# Altium PCB Spektrop2_PCB_Combined_CMV4000_V1.PcbDoc (part 1 of 6) (continued)
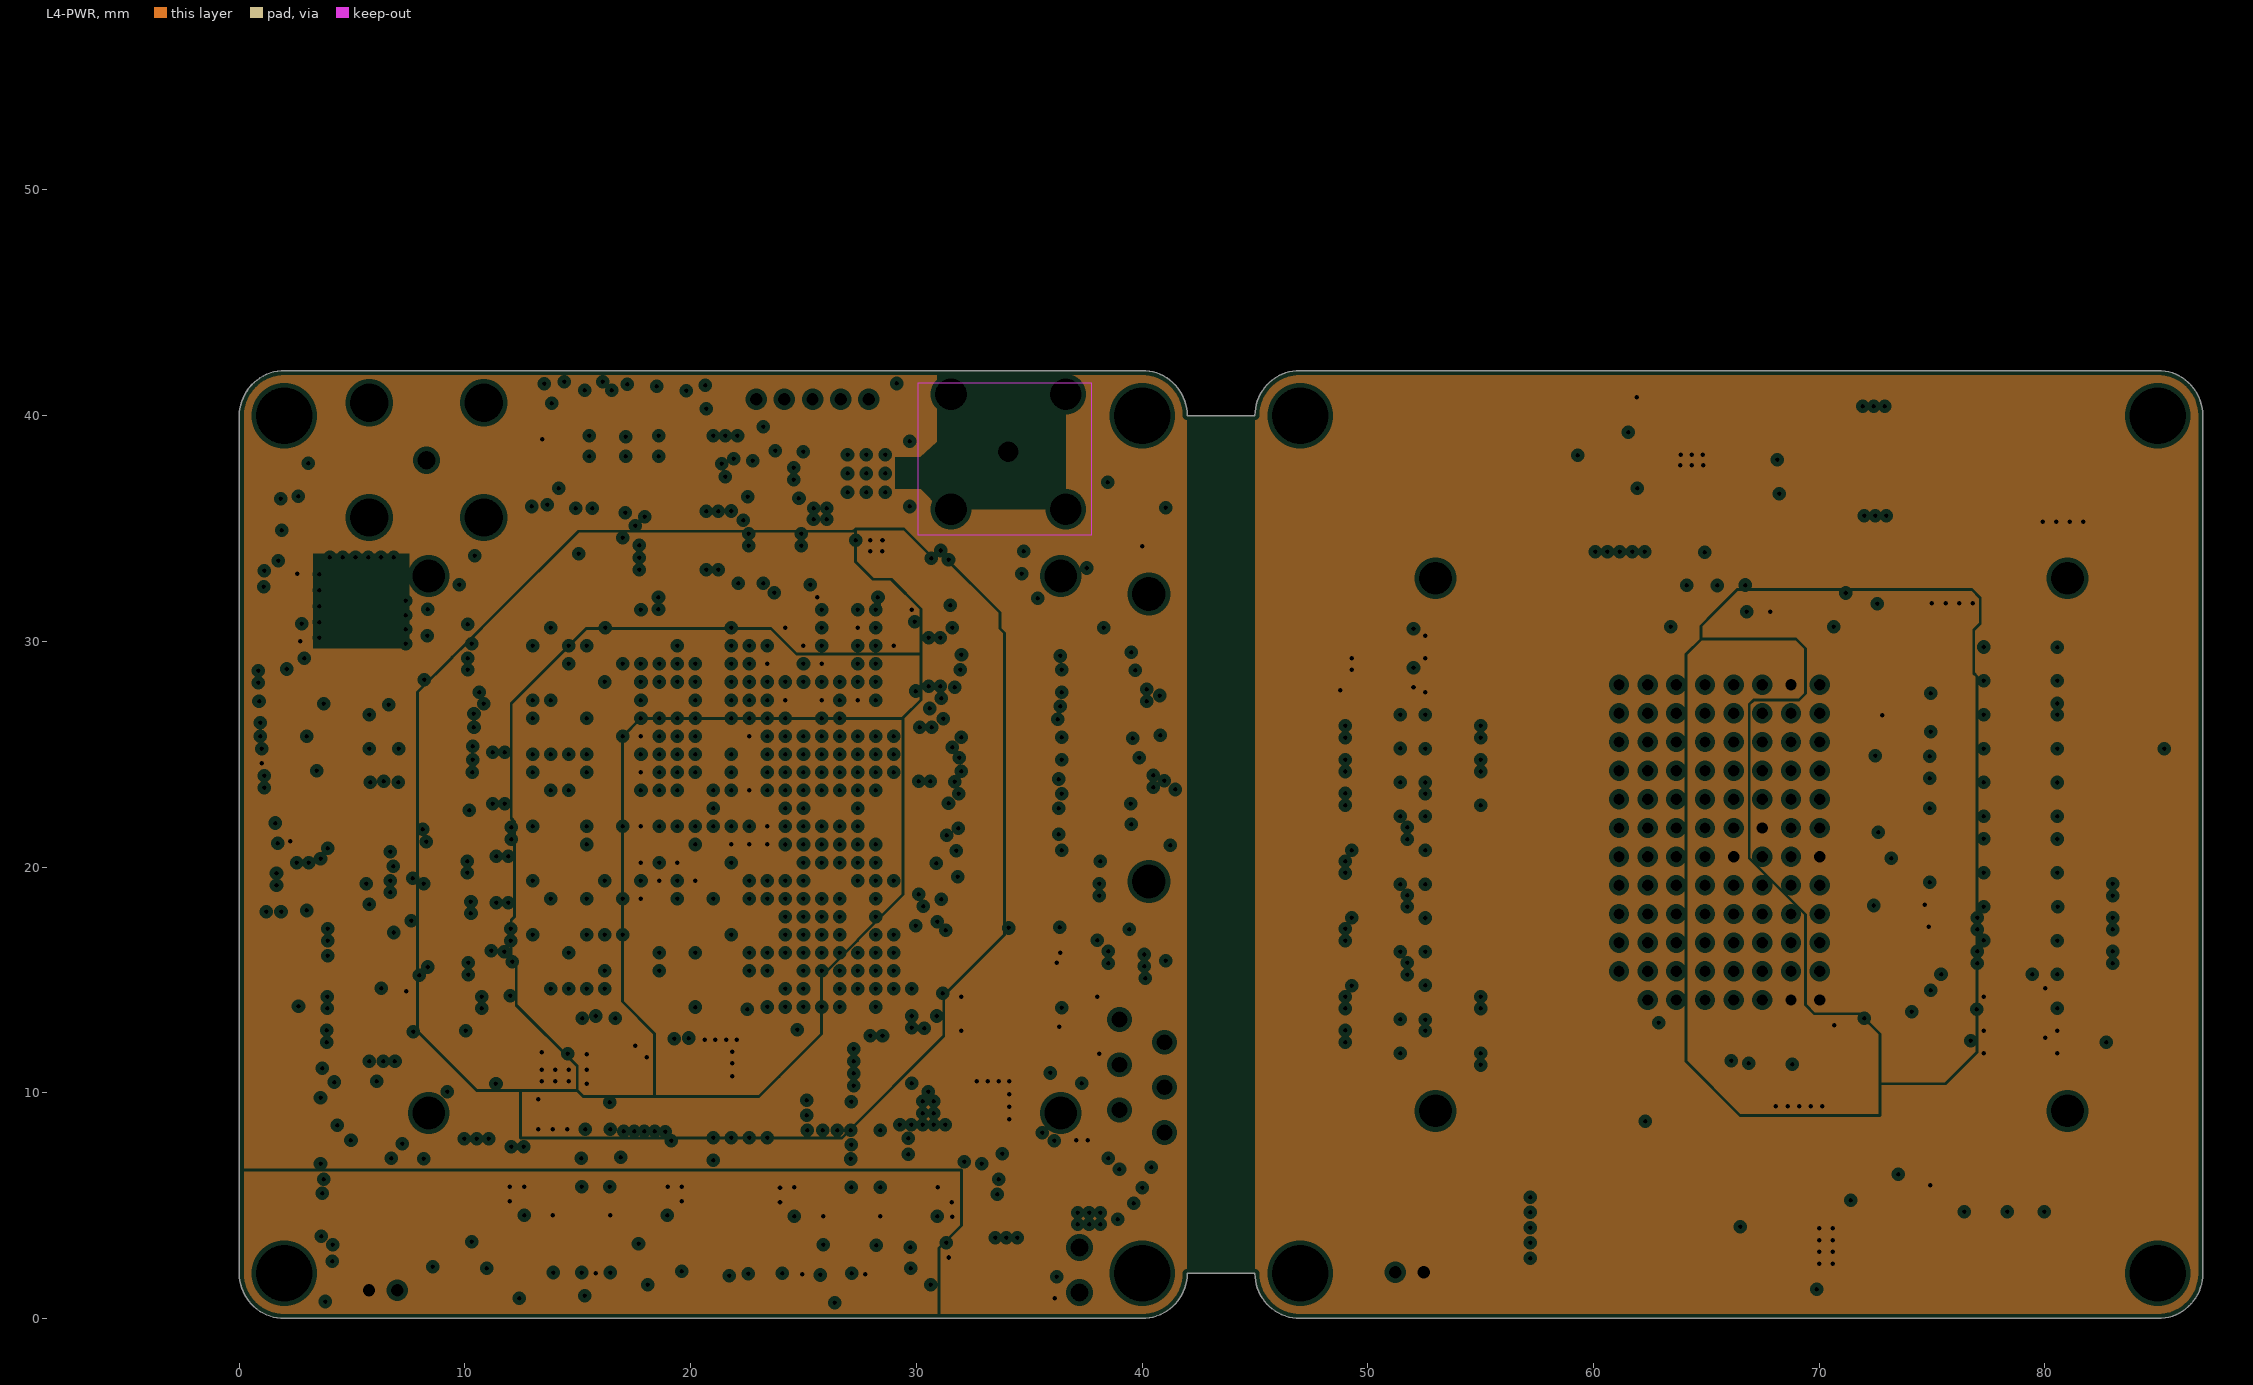
[diagram p5: L4-PWR, clearances drawn from the general rule]
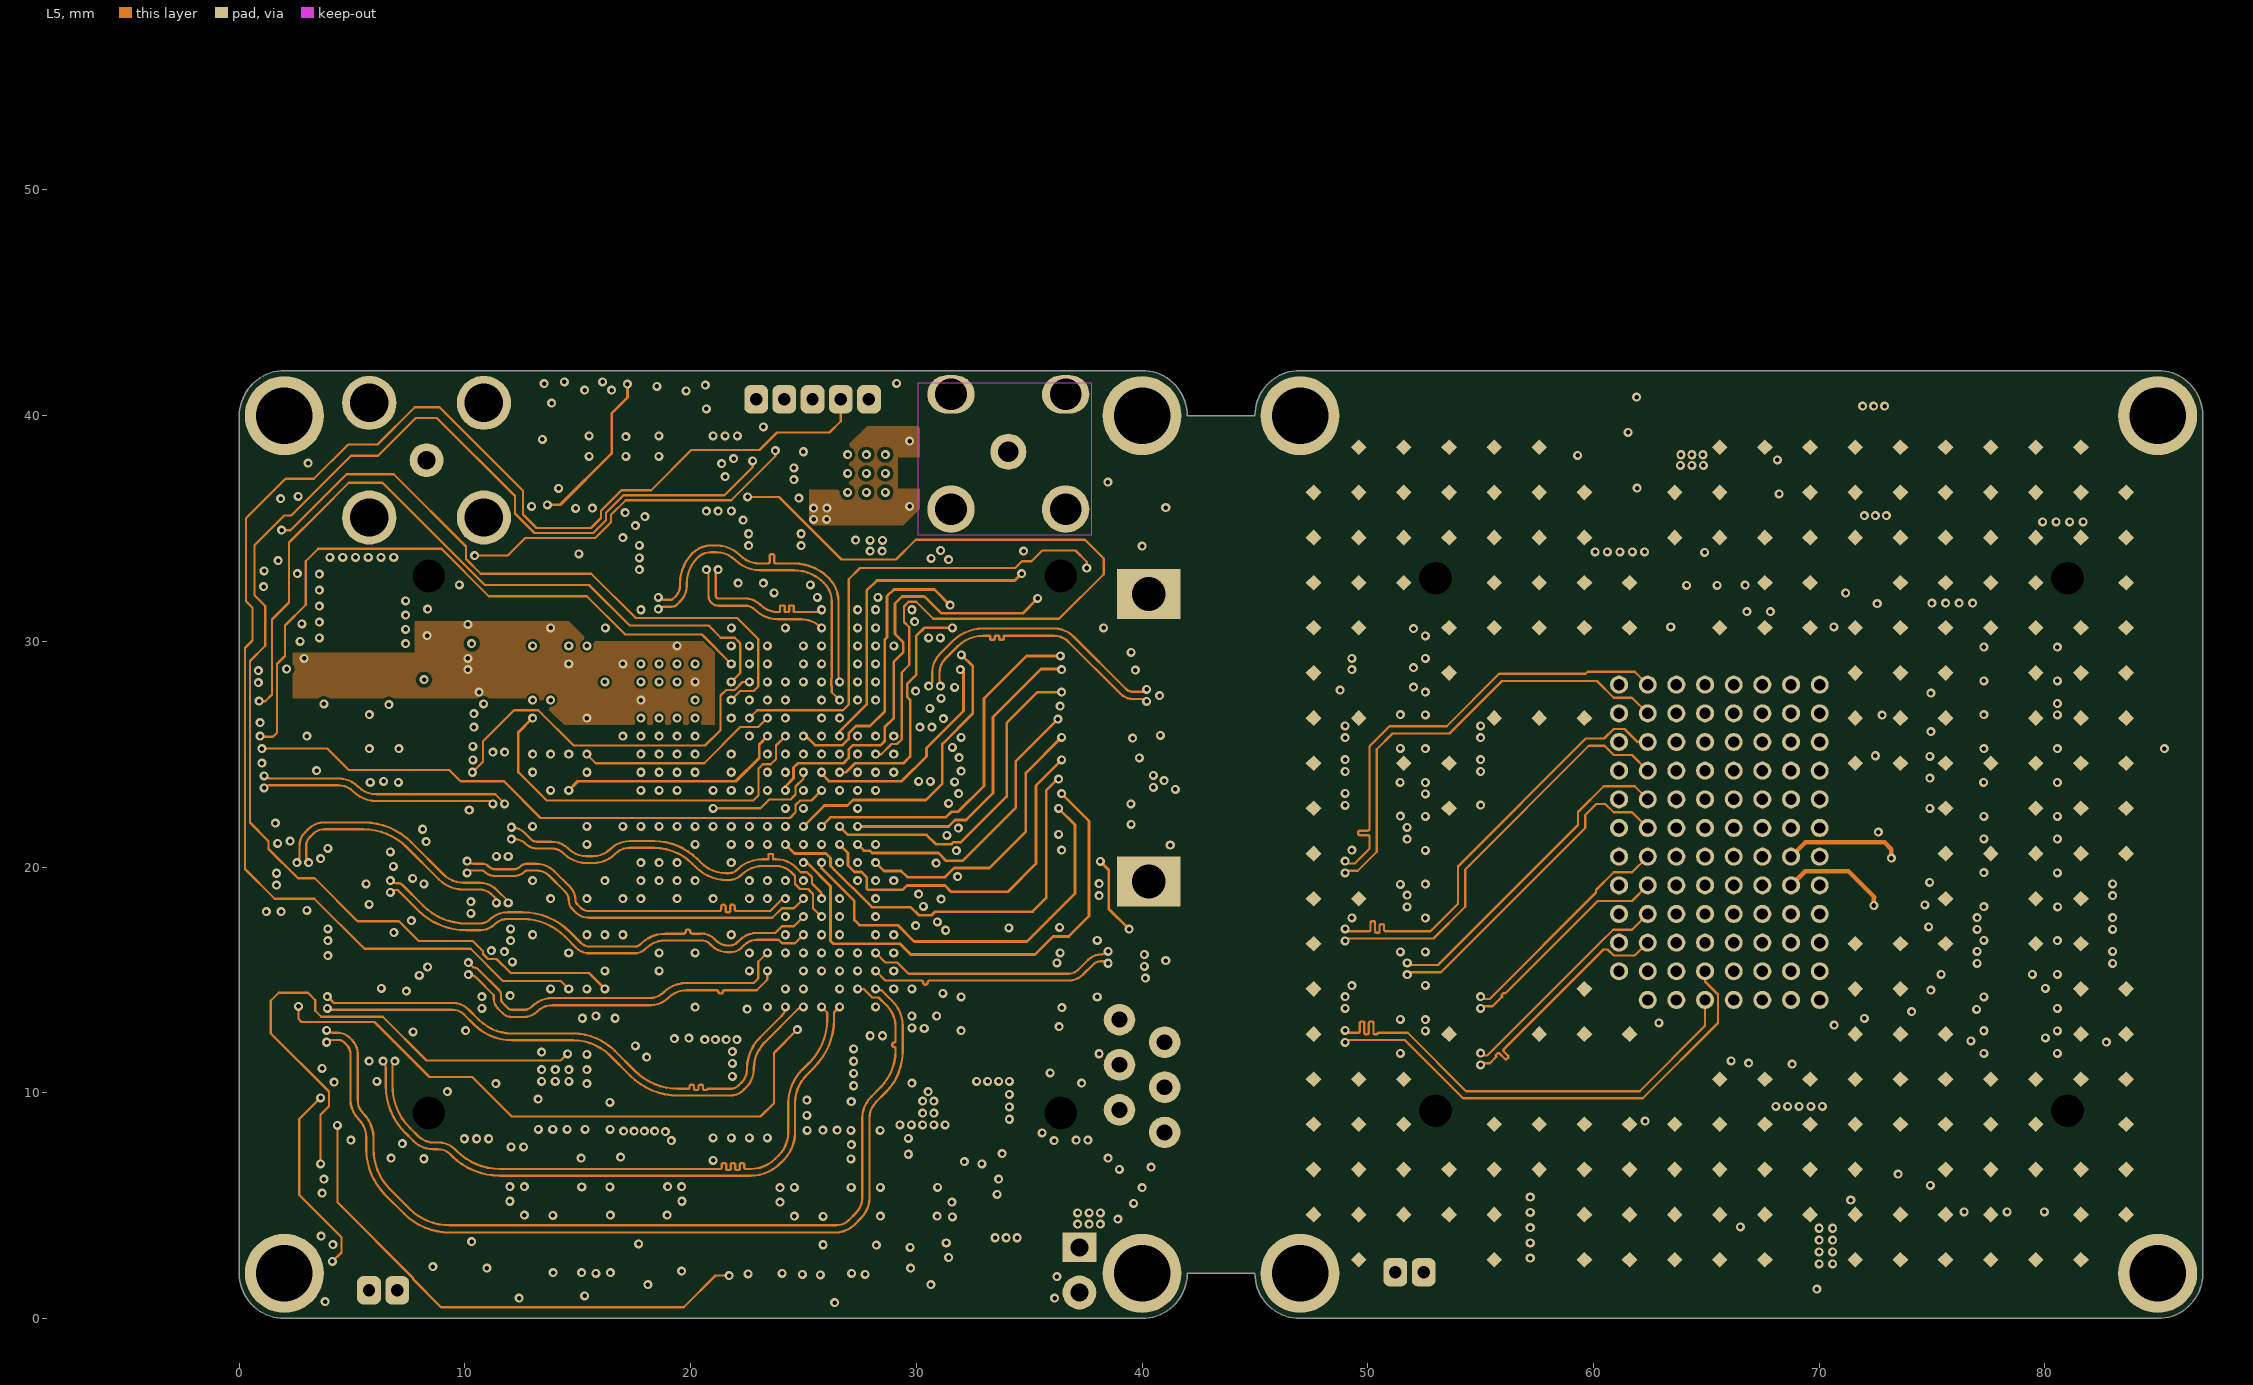
[diagram p6: L5]
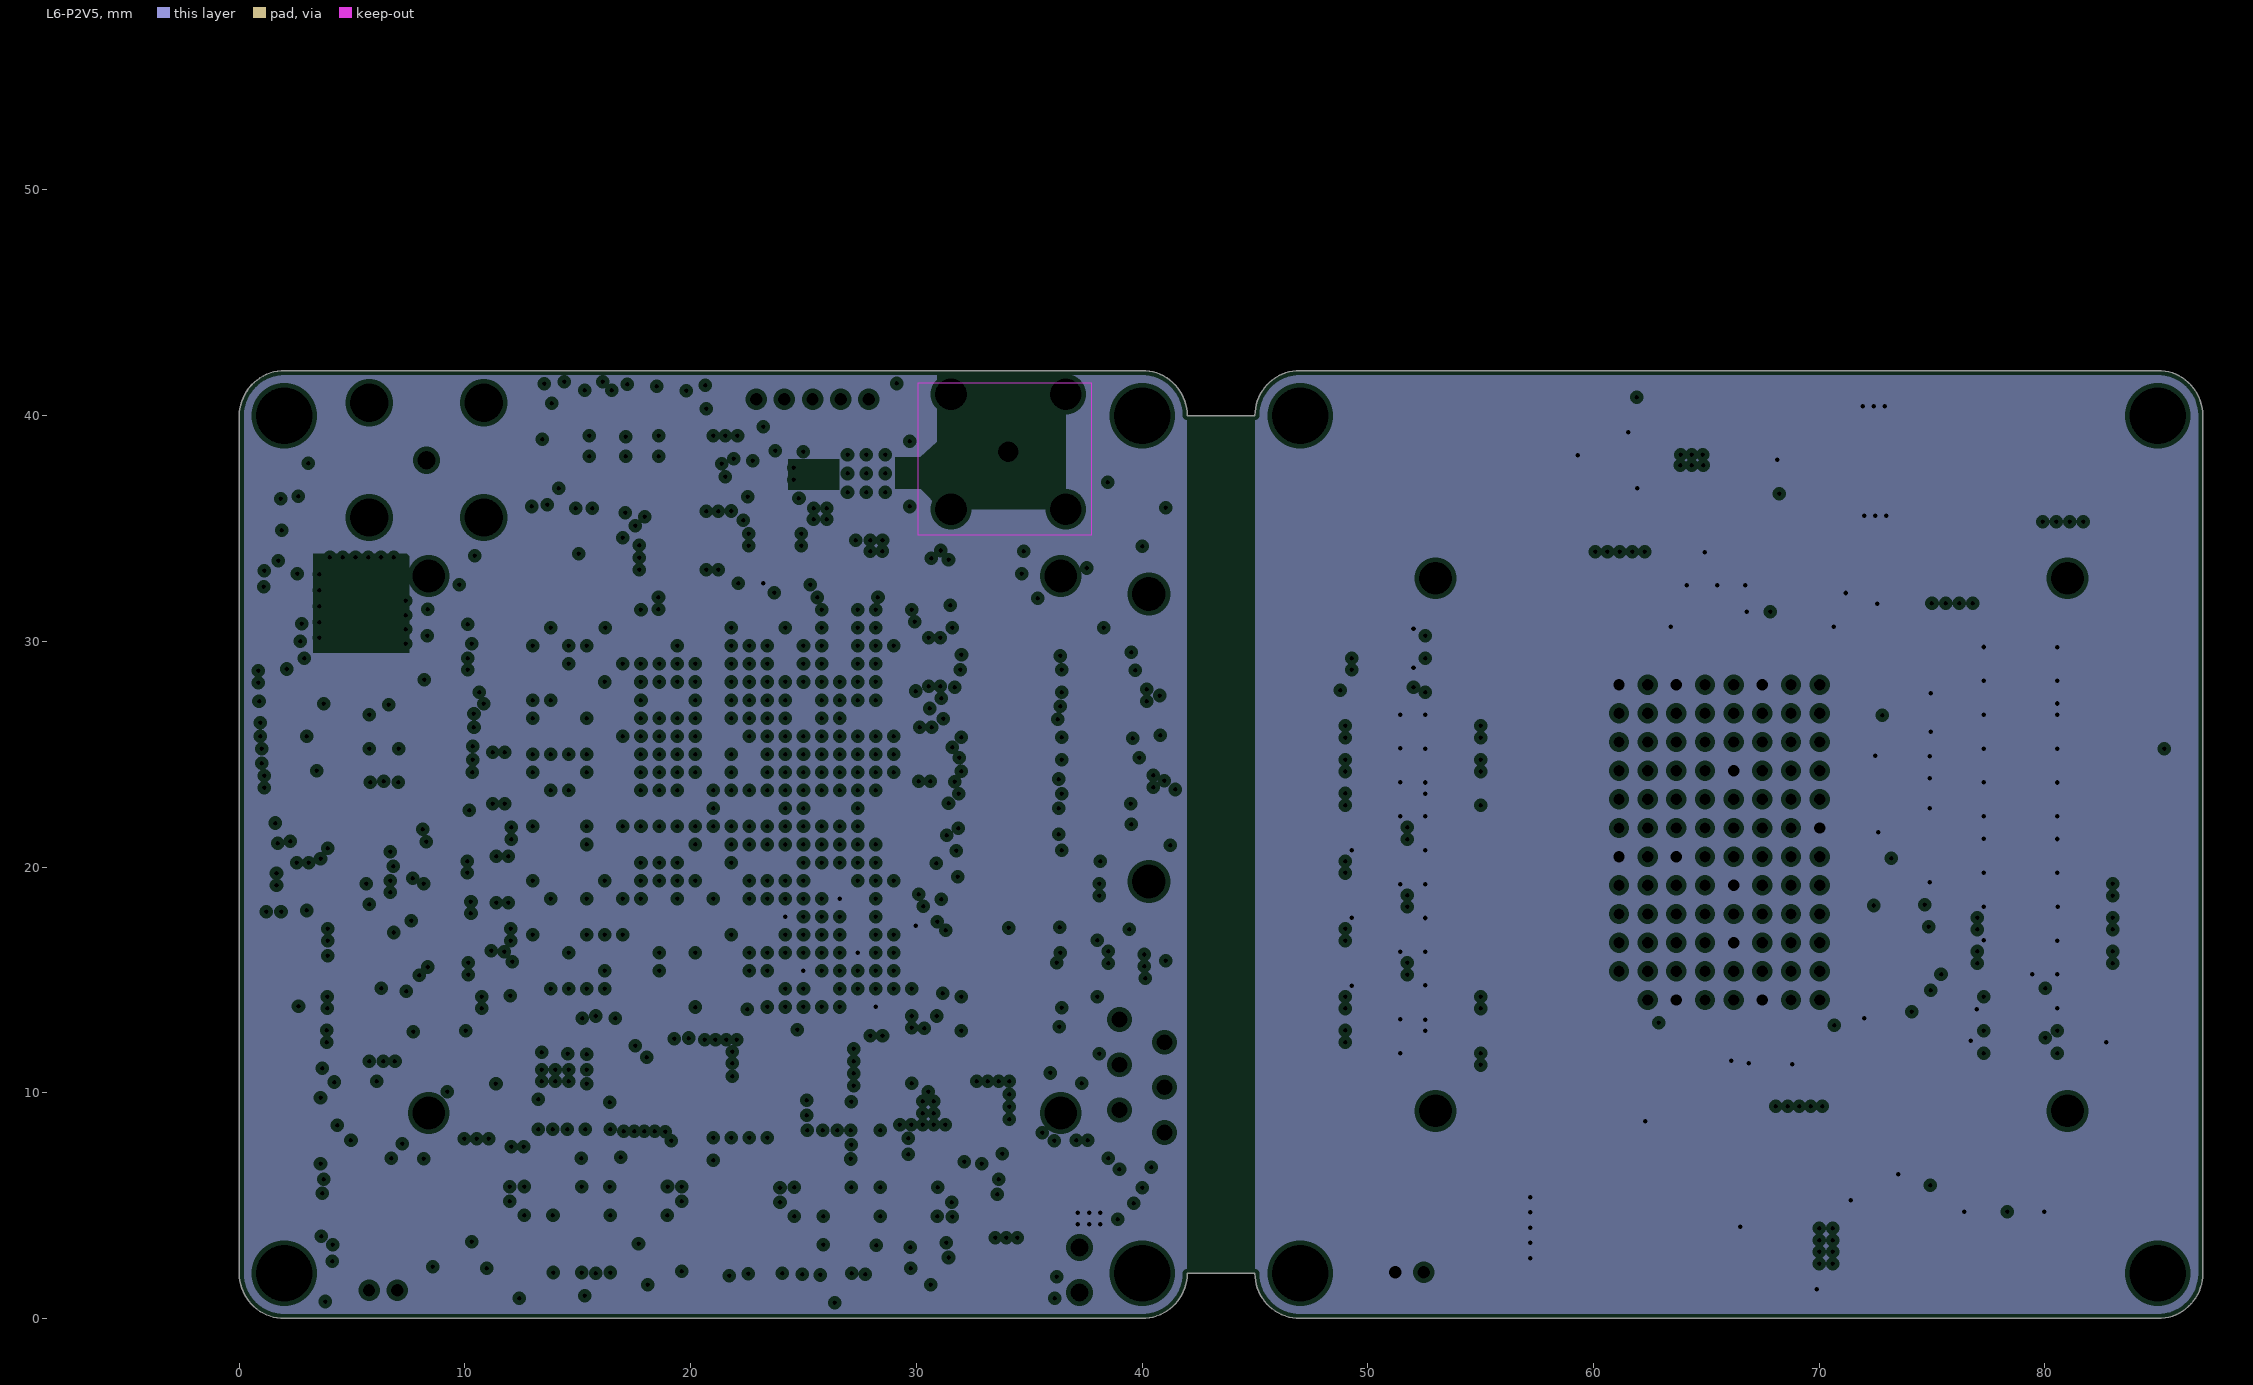
[diagram p7: L6-P2V5, clearances drawn from the general rule]
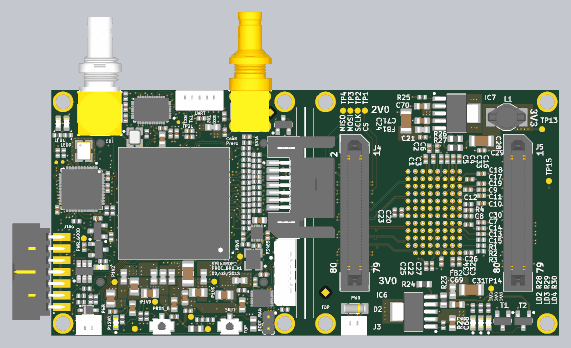
[diagram p13: 3D render of the assembled board from above, using the file's embedded part models]
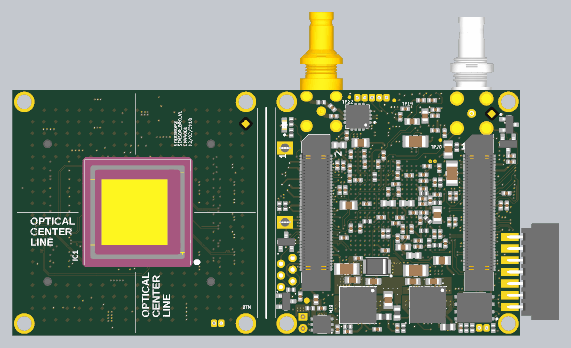
[diagram p14: 3D render of the assembled board from below, using the file's embedded part models]

## Layer stack, top to bottom
Top Solder: solder mask 0.0102, Solder Resist, Dk 3.5
TOP: signal copper 0.053
Dielectric 1: prepreg 0.11, FR-4, Dk 4.2
L1-GND: plane copper 0.018, net (Multiple Nets)
Dielectric 3: core 0.3, Dk 4.2
L2: signal copper 0.018
Dielectric 6: prepreg 0.11, Dk 4.2
L3-1V8: signal copper 0.035
Dielectric 5: core 0.3, Dk 4.2
L4-PWR: plane copper 0.035, net (Multiple Nets)
Dielectric 4: prepreg 0.11, Dk 4.2
L5: signal copper 0.018
Dielectric 7: core 0.3, Dk 4.2
L6-P2V5: plane copper 0.018, net (Multiple Nets)
Dielectric 8: prepreg 0.11, Dk 4.2
BTM: signal copper 0.053
Bottom Solder: solder mask 0.0102, Solder Resist, Dk 3.5

## Board outline
87,2 cw(c85.012,1.988) 85,0 47,0 cw(c47,2) 45,2 42,2 cw(c40,2) 40,0 2,0 cw(c2,2) 0,2 0,39.975 cw(c2.025,39.975) 2.025,42 40,42 cw(c40,40) 42,40 45,40 cw(c47,40) 47,42 85,42 cw(c85,40) 87,40

## Design rules (kind name [scope] priority, off if disabled: settings)
AcuteAngle [All] p1: minimum=6.00000000000000E+0001 checktracksonly=FALSE
AssemblyTestPointUsage [All] p1 off: valid=2 allowmultiple=TRUE
AssemblyTestpoint [IsPad  And (TestpointAssy = 'True') Or  (IsPad AND InComponent('J2'))] p1 off: testpointundercomponent=TRUE minsize=0.2 maxsize=2.54 preferedsize=0.2 minholesize=0.2 maxholesize=2 preferedholesize=0.2 testpointgrid=2.54 usegrid=FALSE gridoriginx=144.775 gridoriginy=129.55 gridtolerance=0 allowsidebottom=TRUE minspacing=1 compbodyclearance=1
BoardOutlineClearance BoardOutlineClearance_Overlay [(IsTrack or IsArc) and OnLayer('Top Overlay')] p1: gap=0.2 ignorepadtopadclearanceinfootprint=FALSE except(0: Arc-OutlineEdge Arc-CavityEdge Arc-CutoutEdge Arc-SplitBarrior Arc-SplitContinuation Track-OutlineEdge Track-CavityEdge Track-CutoutEdge Track-SplitBarrior Track-SplitContinuation Text-OutlineEdge Text-CavityEdge Text-CutoutEdge Text-SplitBarrior Text-SplitContinuation)
BoardOutlineClearance BoardOutlineClearance_General [All] p2: gap=0.2 ignorepadtopadclearanceinfootprint=FALSE except(0: Text-OutlineEdge Text-CavityEdge Text-CutoutEdge Text-SplitBarrior Text-SplitContinuation)
BoardOutlineClearance BoardOutlineClearance_L3_L4 [OnLayer('L4-PWR') or OnLayer('L3-1V8')] p3: gap=2 ignorepadtopadclearanceinfootprint=FALSE except(0: Text-OutlineEdge Text-CavityEdge Text-CutoutEdge Text-SplitBarrior Text-SplitContinuation; 0.2: Arc-OutlineEdge Arc-CavityEdge Arc-CutoutEdge Arc-SplitBarrior Arc-SplitContinuation Track-OutlineEdge Track-CavityEdge Track-CutoutEdge Track-SplitBarrior Track-SplitContinuation)
Clearance Clearance_HSTL [InNetClass('FPGA_BANK34_HSTL_IN_IO[25..0]') vs InNetClass('FPGA_BANK34_HSTL_IN_IO[25..0]')] p1: gap=0.2 ignorepadtopadclearanceinfootprint=TRUE except(0.1: Arc-SMDPad Arc-Via Track-SMDPad Track-Via; 0.125: SMDPad-Via; 0.15: Arc-Hole Track-Hole SMDPad-Hole THPad-Hole Via-Hole Text-Hole; 0.18: Arc-Arc Arc-Track Track-Track)
Clearance Clearance_DIFF100 [InNetClass('DIFF100')] p2: gap=0.2 ignorepadtopadclearanceinfootprint=TRUE except(0.1: Arc-SMDPad Track-SMDPad; 0.125: Arc-THPad Arc-Via Track-THPad Track-Via SMDPad-Via THPad-Via Via-Via; 0.15: Arc-Arc Arc-Track Arc-Hole Track-Track Track-Hole SMDPad-Hole THPad-Hole Via-Hole Text-Hole; 0.5: Arc-Fill Arc-Poly Arc-Region Track-Fill Track-Poly Track-Region)
Clearance Clearance_75OHM [InNetClass('75OHM')] p3: gap=0.3 ignorepadtopadclearanceinfootprint=TRUE except(0.15: Arc-Hole Track-Hole SMDPad-Hole THPad-Hole Via-Hole Fill-Hole Poly-Hole Region-Hole Text-Hole; 0.2: Arc-Arc Arc-Track Arc-SMDPad Arc-Via Track-Track Track-SMDPad Track-Via SMDPad-SMDPad SMDPad-Via)
Clearance Clearance_BGA [WithinRoom('BGA')] p4: gap=0.1 ignorepadtopadclearanceinfootprint=TRUE except(0: Arc-Hole Track-Hole SMDPad-Hole THPad-Hole Via-Hole Fill-Hole Poly-Hole Region-Hole Text-Hole)
Clearance Clearance_DIFF_PAIRS [IsDifferentialPair vs IsDifferentialPair] p5: gap=0.5 ignorepadtopadclearanceinfootprint=TRUE except(0.15: Arc-Hole Track-Hole SMDPad-Hole THPad-Hole Via-Hole Fill-Hole Poly-Hole Region-Hole Text-Hole)
Clearance Clearance_POLY [InPolygon] p6: gap=0.125 ignorepadtopadclearanceinfootprint=FALSE except(0.15: Arc-Hole Track-Hole SMDPad-Hole THPad-Hole Via-Fill Via-Poly Via-Region Via-Hole Text-Hole; 0.2: THPad-Fill THPad-Poly THPad-Region Fill-Hole Poly-Hole Region-Hole)
Clearance Clearance_PWR [InPolygon vs InNetClass('PWR')] p7: gap=0.125 ignorepadtopadclearanceinfootprint=FALSE except(0.15: Arc-Fill Arc-Poly Arc-Region Arc-Hole Track-Fill Track-Poly Track-Region Track-Hole SMDPad-Hole THPad-Hole Via-Fill Via-Poly Via-Region Via-Hole Text-Hole; 0.2: THPad-Fill THPad-Poly THPad-Region Fill-Hole Poly-Hole Region-Hole)
Clearance Clearance_General [All] p8: gap=0.125 ignorepadtopadclearanceinfootprint=FALSE except(0.15: Arc-Hole Track-Hole SMDPad-Hole THPad-Hole Via-Fill Via-Poly Via-Region Via-Hole Text-Hole; 0.2: THPad-Fill THPad-Poly THPad-Region Fill-Hole Poly-Hole Region-Hole)
ComponentClearance ComponentClearance_1 [All] p1: gap=0.254 collisioncheckmode=3 verticalgap=0.254 showdistances=FALSE
ComponentClearance [All] p2: gap=0.1 collisioncheckmode=3 verticalgap=0.1 showdistances=FALSE
DiffPairsRouting [InDifferentialPairClass('All Differential Pairs')] p1: maxlimit=0.3 minlimit=0.15 mostfreqgap=0.22 toplayer_mingap=0.17 toplayer_prefgap=0.17 toplayer_minwidth=0.1 toplayer_maxwidth=0.3 toplayer_prefwidth=0.125 midlayer1_minwidth=0.1 midlayer1_maxwidth=0.3 midlayer1_prefwidth=0.1 midlayer2_prefgap=0.2 midlayer2_minwidth=0.1 midlayer2_maxwidth=0.3 midlayer2_prefwidth=0.1 midlayer3_minwidth=0.1 midlayer3_maxwidth=0.3 midlayer3_prefwidth=0.1 bottomlayer_mingap=0.17 bottomlayer_prefgap=0.17 bottomlayer_minwidth=0.1 bottomlayer_maxwidth=0.3 bottomlayer_prefwidth=0.125 maxuncoupledlength=3
FabricationTestPointUsage TestPointUsage [All] p1 off: valid=0 allowmultiple=FALSE
FabricationTestpoint Testpoint [All] p1 off: side=3 testpointundercomponent=TRUE minsize=1.016 maxsize=2.54 preferedsize=1.524 minholesize=0 maxholesize=1.016 preferedholesize=0.813 testpointgrid=0.025 allowsidetop=TRUE allowsidebottom=TRUE usegrid=TRUE gridtolerance=0
FanoutControl Fanout_BGA [IsBGA] p1: bgadir=Out bgaviamode=Centered fanoutstyle=BGA fanoutdirection=OutOnly viagrid=0.025 // Fanout_BGA (Default Rule)
FanoutControl Fanout_Default [All] p5: bgadir=Out bgaviamode=Centered fanoutstyle=BGA fanoutdirection=Alternating viagrid=0.025 // Fanout_Default (Default Rule)
HoleSize [All] p1: absolutevalues=TRUE maxlimit=5 minlimit=0.2 maxpercent=80.000 minpercent=20.000
HoleToHoleClearance [All] p1: gap=0.2 allowstackedmicrovias=FALSE
MatchedLengths MatchedLengths_MGT [InNetClass('MGT')] p1 off: tolerance=0.1 checknetsindiffpair=TRUE checkdiffpairvsdiffpair=FALSE checkxsignals=FALSE checkothers=FALSE
MatchedLengths [InDifferentialPairClass('All Differential Pairs')] p2 off: tolerance=0.3 checknetsindiffpair=TRUE checkdiffpairvsdiffpair=FALSE checkxsignals=FALSE checkothers=FALSE
MinimumAnnularRing [IsVia] p1: minimumring=0.1
MinimumAnnularRing MinimumAnnularRing_THD [All] p2: minimumring=0.15
MinimumSolderMaskSliver [All] p1: minsoldermaskwidth=0.075
ParallelSegment [InNetClass('DIFF100') vs InNetClass('DIFF100')] p1: limit=5 gap=0.125
PasteMaskExpansion [All] p1: expansion=0.075
PermittedLayers [All] p1: toplayerpermitted=TRUE bottomlayerpermitted=TRUE
PlaneClearance PlaneClearance_via [IsVia] p1: clearance=0.2
PlaneClearance PlaneClearance_DIFF100 [InNetClass('DIFF100')] p2: clearance=0.2
PlaneClearance [All] p3: clearance=0.2
PlaneConnect PlaneConnect_uBNC [(HasFootprint('AMPHENOL_282139-75') OR HasFootprint('AMPHENOL_34-1030-12G'))] p1: planeconnectstyle=Relief reliefexpansion=0.2 reliefentries=4 reliefconductorwidth=0.25 reliefairgap=0.15
PlaneConnect PlaneConnect_MOLEX [HasFootprint('MOLEX_53047-0510')] p2: planeconnectstyle=Relief reliefexpansion=0.2 reliefentries=4 reliefconductorwidth=0.25 reliefairgap=0.2
PlaneConnect [All] p3: planeconnectstyle=Direct reliefexpansion=0.508 reliefentries=4 reliefconductorwidth=0.381 reliefairgap=0.381
PolygonConnect PolygonConnect_PWR_CMV4000_1 [InNet('VDD20') vs HasFootprint('CMOSIS_CMV4000')] p1: thpad.connectstyle=Relief thpad.reliefconductorwidth=0.2 thpad.reliefentries=4 thpad.polygonreliefangle="90 Angle" thpad.airgapwidth=0.15 smdpad.connectstyle=Relief smdpad.reliefconductorwidth=0.4 smdpad.reliefentries=4 smdpad.polygonreliefangle="90 Angle" smdpad.airgapwidth=0.125 via.connectstyle=Direct via.reliefconductorwidth=0.2 via.reliefentries=4 via.polygonreliefangle="90 Angle" via.airgapwidth=0.2
PolygonConnect PolygonConnect_P1V0_L [HasFootprint('BGA25C127P5X5_625X625X262') And OnLayer('BTM')] p2: connectstyle=Direct reliefconductorwidth=0.254 reliefentries=4 polygonreliefangle="90 Angle" airgapwidth=0.254
PolygonConnect PolygonConnect_PWR_FERRITE [HasFootprint('INDC1608X65N') And OnLayer('TOP')] p3: connectstyle=Direct reliefconductorwidth=0.254 reliefentries=4 polygonreliefangle="90 Angle" airgapwidth=0.254
PolygonConnect PolygonConnect_PWR_JUMPER [HasFootprint('RESC1005X40N') And OnLayer('TOP')] p4: connectstyle=Direct reliefconductorwidth=0.254 reliefentries=4 polygonreliefangle="90 Angle" airgapwidth=0.254
PolygonConnect PolygonConnect_PWR [InNetClass('PWR')] p5: thpad.connectstyle=Relief thpad.reliefconductorwidth=0.3 thpad.reliefentries=4 thpad.polygonreliefangle="90 Angle" thpad.airgapwidth=0.15 smdpad.connectstyle=Relief smdpad.reliefconductorwidth=0.4 smdpad.reliefentries=4 smdpad.polygonreliefangle="90 Angle" smdpad.airgapwidth=0.125 via.connectstyle=Direct via.reliefconductorwidth=0.2 via.reliefentries=4 via.polygonreliefangle="90 Angle" via.airgapwidth=0.2
PolygonConnect "Vias Direct Connect" [IsVia] p6: connectstyle=Direct reliefconductorwidth=0.254 reliefentries=4 polygonreliefangle="90 Angle" airgapwidth=0.254
PolygonConnect [All] p7: connectstyle=Direct reliefconductorwidth=0.2 reliefentries=4 polygonreliefangle="90 Angle" airgapwidth=0.2
RoomDefinition BGA [WithinRoom('BGA')] p1: confinementstyle=ConfineIn formatcopy=TRUE lockcomponents=FALSE outline 12.45,13.7 29.9,13.7 29.9,34.5 12.45,34.5
RoutingCorners RoutingCorners_rounded [InNetClass('75OHM')] p1: cornerstyle=Round minsetback=1.27 maxsetback=1.27
RoutingCorners [All] p2: cornerstyle=45-Degree minsetback=1.27 maxsetback=1.27
RoutingVias [All] p1: holewidth=0.2 width=0.4 viastyle="Through Hole" minholewidth=0.2 minwidth=0.4 maxholewidth=1 maxwidth=1.5
SignalStimulus [InNetClass('SCK')] p1: kind=2 level=0 starttime=10.00n stoptime=60.00n periodtime=100.00n
SilkToSilkClearance [All] p1: silktosilkclearance=0.125
SilkToSolderMaskClearance SilkscreenOverComponentPads [IsPad] p1: minsilkscreentomaskgap=0.125 clearancetoexposedcopper=TRUE
SolderMaskExpansion [All] p1: expansion=0
Width Width_JTAG [InNetClass('JTAG')] p1: maxlimit=1 minlimit=0.1 preferedwidth=0.1 checkconnectedcopper=TRUE
Width Width_CTRL [InNetClass('CTRL')] p2: maxlimit=1 minlimit=0.1 preferedwidth=0.1 checkconnectedcopper=TRUE
Width Width_BGA [WithinRoom('BGA')] p3: maxlimit=1 minlimit=0.1 preferedwidth=0.1 toplayer_prefwidth=0.125 bottomlayer_prefwidth=0.125 minimp=50.000000 maximp=50.000000 favimp=50.000000
Width Width_SE75 [InNetClass('75OHM')] p4: maxlimit=1 minlimit=0.1 preferedwidth=1 toplayer_prefwidth=0.65 midlayer1_minwidth=1 midlayer2_minwidth=1 midlayer3_minwidth=1 bottomlayer_prefwidth=0.65 minimp=50.000000 maximp=50.000000 favimp=50.000000 // Routed as coplanar waveguide on the top layer
Width Width_SE50 [InNetClass('SE50')] p5: maxlimit=0.2 minlimit=0.1 preferedwidth=0.12 toplayer_minwidth=0.125 toplayer_prefwidth=0.18 midlayer1_maxwidth=0.12 midlayer2_maxwidth=0.12 midlayer3_maxwidth=0.12 bottomlayer_minwidth=0.125 bottomlayer_prefwidth=0.18 minimp=50.000000 maximp=50.000000 favimp=50.000000
Width Width_PWR [InNetClass('PWR')] p6: maxlimit=5 minlimit=0.15 preferedwidth=0.3 midlayer1_minwidth=0.2 midlayer2_minwidth=0.2 midlayer3_minwidth=0.2 minimp=50.000000 maximp=50.000000 favimp=50.000000 checkconnectedcopper=TRUE
Width [All] p7: maxlimit=1 minlimit=0.1 preferedwidth=0.1 toplayer_prefwidth=0.125 bottomlayer_prefwidth=0.125 minimp=50.000000 maximp=50.000000 favimp=50.000000 checkconnectedcopper=TRUE
13 further rules are at their usual default settings.
